# Altium PCB EVK-IRIS-W1.PcbDoc (part 7 of 9)
Units mm, origin at the board's own origin, x right, y up, seen from the top; angles counter-clockwise.
Board outline 94.11 x 129.93 mm, 6 copper layers (L1, L2, L3, L4, L5, L6), stack 1.547 mm thick; 619 components, 422 nets, 2042 pads, 1499 vias.
Unrouted connection lines stored in the file: 4.
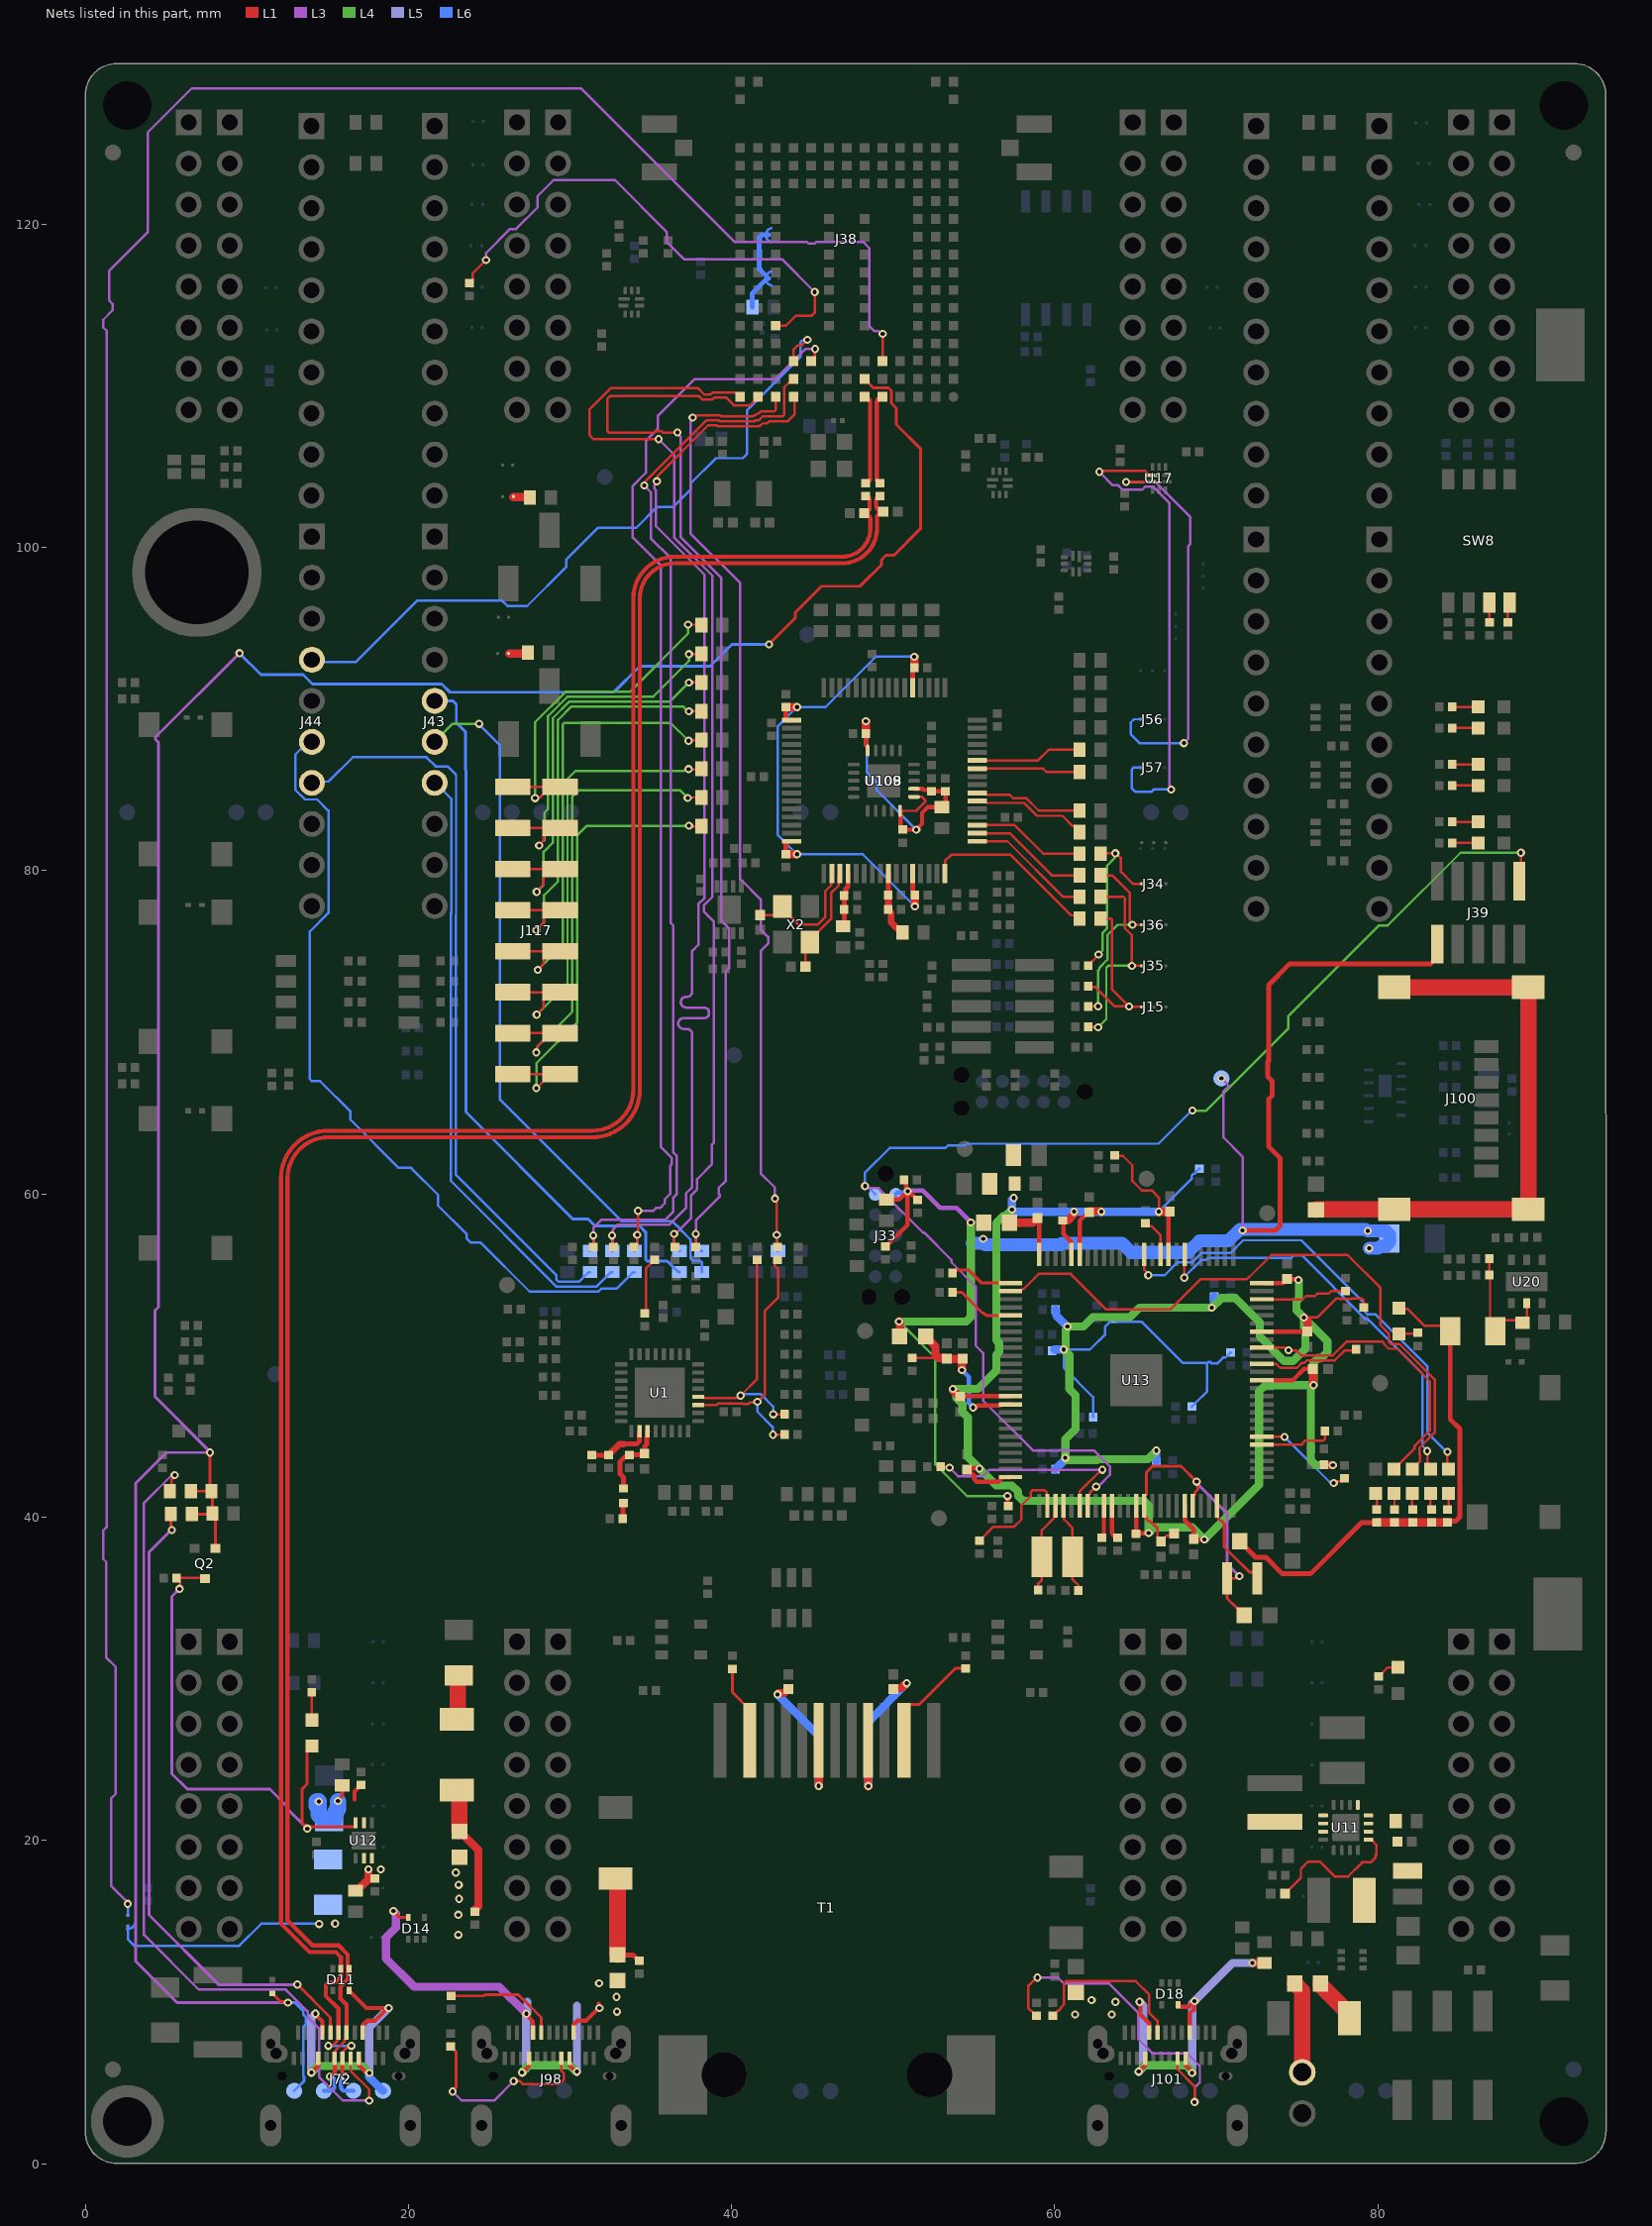
[diagram p11: the nets of this part, all layers, seen from the top]

## Via types
v1: diameter 0.508, hole 0.254, L1 to L6, 992 vias
v2: diameter 0.508, hole 0.254, L1 to L6, tented both sides, 288 vias
v3: diameter 0.5, hole 0.25, L1 to L6, 184 vias
v4: diameter 0.6, hole 0.3, L1 to L6, 27 vias
v5: diameter 0.5, hole 0.3, L1 to L6, 5 vias
v6: diameter 0.5, hole 0.2, L1 to L6, tented top, 2 vias
v7: diameter 0.6, hole 0.3, L1 to L6, tented both sides, 1 vias

## Nets (pads, with @x,y where several pads share a name; then routed paths per layer and width w, separated by ;. In a path a pad name is that pad's centre, name@x,y a point inside that pad or via, vN(x,y) a via of type N, cw(c..) or ccw(c..) an arc to the next point about the centre after c; other vN are vias at no path point) (continued)
GPIO57_U14-RxD-MOSI-SDA-TRX_RMII-MDIO: J38.L1 R265.2 R266.2 | length 61.3
  L1 w0.152: v1(37.59,108.026) 37.687,108.026 37.839,108.179 39.304,108.179 39.385,108.097 41.304,108.097 41.386,108.179 41.492,108.179 41.585,108.272 41.672,108.272 41.808,108.408 42.642,108.408 42.731,108.498 J38.L1@42.731,109.312 ; v1(42.694,59.707) 42.694,59.611 42.797,59.507 v1(42.797,57.464) 42.797,56.769 R265.2@42.853,56.713
  L3 w0.152: v1(37.59,108.026) 37.59,107.93 37.458,107.797 37.458,100.867 40.537,97.788 40.537,79.479 41.807,78.209 41.807,76.335 42.26,75.882 42.26,75.484 41.807,75.032 41.807,61.258 42.676,60.389 42.676,59.724 v1(42.694,59.707)
  L6 w0.152: v1(42.797,57.464) 42.797,56.535 R266.2@42.874,56.459 ; R266.2@42.825,56.807 42.874,56.759 R266.2@42.876,56.761
GPIO58: J43.7 R277.1 | length 38.5
  L4 w0.15: J43.7@21.625,85.031 J43.7@21.625,85.423
  L6 w0.15: J43.7@21.625,85.423 21.669,85.423 22.65,84.442 22.65,77.378 22.63,77.358 22.63,60.8 29.176,54.254 31.632,54.254 32.537,55.159 R277.1@32.612,55.159
GPIO58_RMII-TxD0: J38.K1 R275.2 R277.2 | length 69.8
  L1 w0.15: v1(35.379,104.081) 35.424,104.126 35.424,104.413 38.559,107.548 39.084,107.548 39.136,107.496 41.746,107.496 41.909,107.658 42.055,107.658 42.059,107.662 42.201,107.662 42.347,107.807 43.487,107.807 43.89,108.21 43.89,109.253 J38.K1@43.831,109.312
  L1 w0.152: v1(32.61,57.421) 32.66,57.371 32.66,56.897 32.71,56.847 32.737,56.847 32.737,56.754 R275.2@32.696,56.713 ; R275.2@32.81,56.847 32.839,56.847 R275.2@32.889,56.897
  L3 w0.15: v1(35.379,104.081) 35.379,103.984 35.226,103.831 35.226,103.616 35.33,103.512 35.33,101.297 38.327,98.299 38.327,78.31 37.946,77.929
  L3 w0.152: v1(32.61,57.421) 32.643,57.454 32.643,57.765 32.959,58.081 36.141,58.081 37.18,59.121 37.18,60.019 37.564,60.403 37.564,69.799 37.564,69.875 ccw(c37.234,69.875) 37.234,70.206 37.029,70.206 cw(c37.029,70.536) 37.029,70.866 38.28,70.866 ccw(c38.28,71.196) 38.28,71.526 37.189,71.526 cw(c37.189,71.857) 37.189,72.187 37.234,72.187 ccw(c37.234,72.517) 37.564,72.517 37.564,73.045 37.564,75.022 37.946,75.404 37.946,77.929
  L6 w0.152: v1(32.61,57.421) 32.671,57.421 32.61,57.359 R277.2@32.612,56.459 R277.2@32.612,56.459
GPIO59: J44.7 R278.1 | length 46.2
  L6 w0.15: J44.7@14.025,85.423 14.105,85.503 15.05,85.503 16.563,87.015 21.124,87.015 21.691,86.448 22.44,86.448 22.95,85.938 22.95,77.254 22.93,77.234 22.93,61.195 29.168,54.956 29.168,54.686 29.3,54.554 30.555,54.554 31.16,55.159 R278.1@31.235,55.159
GPIO59_RMII-TxD1: J38.K2 R276.2 R278.2 | length 66.6
  L1 w0.15: v1(34.591,103.827) 34.66,103.895 34.66,104.073 38.435,107.848 39.209,107.848 39.261,107.796 41.429,107.796 41.481,107.848 41.674,107.848 41.933,108.107 43.167,108.107 43.256,108.197 43.256,109.705 43.255,109.707 43.255,109.903 43.538,110.187 43.606,110.187 J38.K2@43.831,110.412
  L1 w0.152: R276.2@31.426,56.713 31.442,56.729 v1(31.442,57.421)
  L3 w0.15: v1(34.591,103.827) 35.002,103.415 35.002,100.556 36.244,99.314 36.244,98.505 36.227,98.487 36.227,98.094 36.244,98.077 36.244,76.749 36.397,76.597
  L3 w0.152: v1(31.442,57.421) 31.442,57.885 31.941,58.384 35.884,58.384 36.397,58.896 36.397,59.764 36.595,59.962 36.595,62.357 36.397,62.556 36.397,76.597
  L6 w0.152: R278.2@31.235,56.459 31.442,56.665 v1(31.442,57.421)
GPIO60: J44.6 R283.1 | length 50.1
  L6 w0.15: J44.6@14.025,87.963 13.793,87.963 13,87.17 13,84.998 13.601,84.398 14.356,84.398 15.05,83.703 15.05,77.378 13.894,76.222 13.894,67.107 14.022,66.979 14.533,66.979 16.417,65.094 16.417,64.584 19.399,61.601 20.171,61.601 21.836,59.936 21.836,59.279 23.6,57.515 23.6,57.256 23.881,56.976 24.482,56.976 27.504,53.954 31.756,53.954 31.93,54.127 32.883,54.127 33.914,55.159 R283.1@33.989,55.159
GPIO60_RMII-TxEN: J38.J3 R280.2 R283.2 | length 68.1
  L1 w0.152: R280.2@33.966,56.713 34.147,56.895 34.147,57.057 34.147,57.369 34.147,57.386 34.21,57.449 v1(34.21,58.945) ; J38.J3@44.967,111.476 45.155,111.664 45.155,112.256 v1(45.166,112.267)
  L3 w0.152: v1(34.21,58.945) 35.15,58.945 35.33,59.125 35.578,59.125 35.859,59.406 35.859,59.654 36.193,59.988 36.193,61.738 36.293,61.838 36.293,62.232 35.635,62.89 35.635,98.857 33.882,100.609 33.882,103.796 34.693,104.607 34.693,106.589 35.429,107.325 35.429,108.119 37.722,110.412 42.711,110.412 44.566,112.267 v1(45.166,112.267)
  L6 w0.152: R283.2@33.989,56.459 34.161,56.631 v1(34.161,57.455)
GPIO61-UCX-SW4: J38.K3 J44.4 | length 43.6
  L1 w0.15: J38.K3@43.831,111.512 43.831,112.22 44.108,112.497 44.354,112.497 v1(44.699,112.842)
  L6 w0.15: J44.4@14.07,92.913 16.762,92.913 20.56,96.711 25.781,96.711 26.129,96.363 27.347,96.363 29.784,98.799 29.784,99.259 31.723,101.198 34.092,101.198 35.396,102.502 36.412,102.502 37.459,103.549 37.459,103.934 39.04,105.515 40.684,105.515 40.965,105.796 40.965,108.478 44.276,111.789 44.276,112.712 44.364,112.8 44.657,112.8 v1(44.699,112.842)
GPIO62: J43.6 R284.1 | length 44.9
  L4 w0.15: J43.6@21.625,87.963 22.74,89.077 v2(24.373,89.077)
  L6 w0.15: v2@24.357,89.052 25.672,87.737 25.672,65.824 33.181,58.315 36.309,58.315 36.622,58.001 36.644,58.001 36.924,57.721 36.924,57.699 37.453,57.171 37.453,56.018 37.612,55.859 38.055,55.859 38.155,55.759 R284.1@38.155,55.159
GPIO62_RMII-CRSDV: J38.M1 R281.2 R284.2 | length 70.3
  L1 w0.15: v1(36.649,107.103) 35.751,107.103 35.679,107.176 35.282,107.176 35.209,107.103 32.395,107.103 32.307,107.191 32.307,109.173 32.506,109.372 37.962,109.372 38.182,109.152 38.827,109.152 38.954,109.279 39.646,109.279 40.138,108.787 41.144,108.787 41.406,109.049 41.406,109.087 J38.M1@41.631,109.312
  L1 w0.152: R281.2@37.775,56.713 37.775,57.505 v1(37.785,57.516) v1@37.817,57.548
  L3 w0.15: v1(36.649,107.103) 36.649,107.044 36.857,106.836 36.857,100.618 39.37,98.105 39.37,76.881 39.86,76.391 39.86,73.99
  L3 w0.152: v1(37.785,57.516) 37.785,58.358 39.259,59.832 39.259,59.959 39.224,59.994 39.224,60.389 39.648,60.813 39.648,73.778 39.86,73.99
  L6 w0.152: v1(37.785,57.516) 37.785,56.757 38.084,56.459 R284.2@38.155,56.459
GPIO63: J43.5 R286.1 | length 45.2
  L6 w0.18: J43.5@21.625,90.503 22.753,90.503 22.965,90.291 22.965,89.149 23.546,88.568 23.546,86.212 23.565,86.193 23.565,65.054 30.188,58.431 31.13,58.431 31.561,58 34.315,58 34.679,57.636 34.679,55.949 34.785,55.844 36.018,55.844 36.703,55.159 R286.1@36.778,55.159
GPIO63_RMII-RxERR: J38.N1 R285.2 R286.2 | length 70.4
  L1 w0.15: v1(35.48,106.697) 31.452,106.697 31.215,106.934 31.215,108.541 32.534,109.86 37.899,109.86 38.306,109.452 38.703,109.452 38.83,109.579 40.218,109.579 40.26,109.537 40.306,109.537 J38.N1@40.531,109.312
  L1 w0.152: v1(36.445,57.522) 36.445,56.773 R285.2@36.505,56.713
  L3 w0.15: v1(35.48,106.697) 36.461,105.716 36.461,100.59 38.81,98.241 38.81,78.368 38.275,77.834 ; 38.579,77.166 38.911,76.834 38.911,75.871 38.914,75.869 38.914,75.472 38.911,75.469 38.911,63.17
  L3 w0.152: v1@36.411,57.412 37.483,58.483 37.483,59.893 37.867,60.277 37.867,60.911 38.793,61.838 38.793,63.051 38.911,63.17 ; 38.276,77.833 38.276,77.469 38.579,77.166
  L6 w0.152: v1(36.445,57.522) 36.445,56.757 36.744,56.459 R286.2@36.778,56.459
HW_VER: R187.2 U13.55 | length 4.6
  L1 w0.15: U13.55@72.816,44.477 75.276,44.477 75.364,44.565 75.364,44.603 75.496,44.735 76.625,44.735 76.713,44.823 R187.2@76.713,45.314
HW_VER_0: R188.2 U13.85 | length 2.4
  L1 w0.15: R188.2@65.607,58.172 65.792,57.987 66.005,57.987 66.541,57.452 U13.85@66.541,56.252
HW_VER_1: R189.2 U13.73 | length 5.4
  L1 w0.15: U13.73@72.826,53.467 75.343,53.467 75.554,53.677 76.111,53.677 76.275,53.841 76.964,53.841 77.109,53.986 R189.2@77.997,53.986
HW_VER_2: R190.2 U13.65 | length 6.4
  L1 w0.15: U13.65@72.816,49.477 73.713,49.477 73.965,49.225 74.973,49.225 75.274,49.526 75.436,49.526 75.613,49.703 77.336,49.703 77.925,50.292 78.567,50.292 R190.2@78.643,50.368
HW_VER_3: R191.2 U13.1 | length 4
  L1 w0.179: R191.2@53.686,55.109 53.686,55.124 53.856,55.295 54.48,55.295 54.488,55.303 54.652,55.303 55.478,54.477 U13.1@57.266,54.477
HW_VER_4: R192.2 U13.31 | length 13.2
  L1 w0.15: R192.2@52.926,43.126 52.947,43.104 v1@53.415,43.104 ; U13.31@61.541,40.702 61.541,41.578 v1@62.914,42.951
  L3 w0.15: v1(53.491,43.053) 54.021,42.523 55.543,42.523 55.946,42.926 v1(62.94,42.926)
HW_VER_5: R193.2 U13.5 | length 4.3
  L1 w0.179: R193.2@53.574,53.898 54.253,53.898 55.535,52.616 55.624,52.616 55.763,52.477 U13.5@57.266,52.477
HW_VER_6: R194.2 U13.56 | length 6.4
  L1 w0.15: U13.56@72.887,44.906 U13.56@72.816,44.977 74.211,44.977 v1@74.243,45.009 ; v1@77.366,42.214 77.741,42.214 R194.2@77.926,42.399
  L6 w0.15: v1(74.217,44.958) 76.993,42.182 77.197,42.182 v1(77.265,42.113)
HW_VER_7: R195.2 U13.27 | length 7
  L1 w0.15: R195.2@55.345,38.551 55.36,38.551 56.209,39.399 57.482,39.399 57.931,39.848 57.931,40.719 58.516,41.304 58.516,41.548 58.62,41.652 59.387,41.652 59.5,41.54 59.5,40.743 U13.27@59.541,40.702
INT: R111.1 R149.1 | length 3.5
  L1 w0.152: R149.1@34.642,52.614 34.718,52.69 34.718,55.396 R111.1@35.235,55.913
JTAG-TCK: J15.1 R1.2 R119.2 | length 10.4
  L1 w0.15: R119.2@62.062,72.854 62.128,72.787 62.518,72.787 63.709,71.595 v1(64.6,71.595) 63.555,72.639 63.555,76.948 63.468,77.036 R1.2@62.834,77.036 ; v1@64.63,71.565 J15.1@65.378,71.565
  L6 w0.15: v1@64.6,71.498 v1(64.6,71.595)
JTAG-TDI: J35.1 R3.2 R293.2 | length 12.7
  L1 w0.15: R293.2@62.081,70.326 R293.2@62.062,70.326 62.081,70.307 v1(62.686,70.307) ; R3.2@62.834,78.371 64.25,78.371 64.338,78.283 64.338,76.853 64.328,76.843 64.328,76.446 64.765,76.01 v1@64.765,74.105 ; v1(64.773,74.105) J35.1@65.378,74.105
  L4 w0.15: v1(62.686,70.307) 63.189,70.81 63.189,73.985 63.308,74.105 v1(64.773,74.105)
JTAG-TDO: J36.1 R4.2 R291.2 | length 12
  L1 w0.15: R291.2@62.062,71.59 62.074,71.603 v1(62.686,71.603) ; R4.2@62.834,79.705 63.559,79.705 64.638,78.626 64.638,76.814 v1(64.807,76.645) J36.1@65.378,76.645
  L4 w0.15: v1(62.686,71.603) 62.686,73.804 62.762,73.88 62.762,73.983 63.27,74.491 63.27,76.022 63.892,76.645 v1(64.807,76.645)
JTAG-TMS: J34.1 R5.2 R117.2 | length 11.5
  L1 w0.15: R117.2@62.062,74.117 62.062,74.132 62.711,74.782 v1(62.711,74.803) ; R5.2@62.834,81.04 62.862,81.068 v1(63.75,81.068) 63.779,81.068 64.103,80.744 64.103,79.914 64.833,79.185 J34.1@65.378,79.185
  L4 w0.15: v1(62.711,74.803) 62.711,74.811 62.97,75.07 62.97,76.146 63.244,76.421 63.244,80.309 63.688,80.753 63.688,81.006 v1(63.75,81.068)
LED0_ENET: R148.2 T1.11 | length 6.1
  L1 w0.178: R148.2@40.057,30.613 40.057,29.156 41.132,28.081 T1.11@41.132,26.186 ; T1.11@41.172,26.162 T1.11@41.172,27.399
LED1_ENET: R154.2 T1.2 | length 8
  L1 w0.178: T1.2@50.646,26.162 T1.2@50.646,27.399 ; T1.2@50.672,26.186 50.672,28.081 50.988,28.397 51.614,28.397 53.856,30.639 R154.2@54.496,30.639
LED_HEARTBEAT: LED5.1 U13.87 | length 30
  L1 w0.15: U13.87@65.541,56.252 65.541,55.302 65.784,55.059 v1(65.784,54.966) ; v1(84.301,44.044) 84.301,43.041 LED5.1@84.377,42.965
  L6 w0.15: v1(65.784,54.966) 66.8,54.966 67.582,55.747 68.496,55.747 69.08,56.331 70.872,56.331 71.666,57.125 75.259,57.125 79.098,53.286 79.098,52.811 79.378,52.531 79.852,52.531 83.052,49.332 83.052,45.242 84.25,44.044 v1(84.301,44.044)
LED_SWO_ACT: LED2.1 U13.2 | length 40
  L1 w0.15: U13.2@57.266,53.977 57.856,53.977 57.996,54.117 58.084,54.117 59.008,55.042 60.985,55.042 63.17,52.857 67.174,52.857 69.023,54.706 71.866,54.706 71.997,54.837 72.033,54.837 73.407,56.211 78.13,56.211 80.161,54.18 80.161,51.867 80.664,51.363 80.664,50.844 80.796,50.713 81.315,50.713 83.514,48.514 83.514,45.222 82.575,44.284 82.575,43.875 82.599,43.851 82.599,43.441 LED2.1@82.123,42.965
LED_USB_COMM: LED1.1 U13.67 | length 18.4
  L1 w0.15: U13.67@72.816,50.477 74.214,50.477 74.374,50.317 v1(74.471,50.317) 74.489,50.299 74.95,50.299 75.246,50.003 77.212,50.003 78.077,50.868 80.277,50.868 80.364,50.78 80.364,50.72 80.672,50.413 81.191,50.413 83.214,48.39 83.214,45.347 82.275,44.408 82.275,44.245 LED1.1@80.995,42.965
LED_VCOM_ACT: LED4.1 U13.82 | length 25.9
  L1 w0.15: v1(68.02,54.813) 68.03,54.824 68.03,56.242 U13.82@68.041,56.252 ; v1(83.054,44.086) 83.054,43.16 LED4.1@83.25,42.965
  L6 w0.15: v1(68.02,54.813) 68.02,54.846 69.079,55.905 69.365,55.905 69.49,56.031 74.637,56.031 74.804,56.198 75.287,56.198 79.254,52.231 79.39,52.231 82.752,48.87 82.752,44.425 v1@83.056,44.12
MCU_LINK_3V3: C44.1 C45.1 C48.1 C49.1 C51.1 C53.1 C56.1 C57.1 C58.1 C59.1 C63.1 C93.1 C94.1 F7.2 R220.1 R221.2 R227.2 R229.2 R231.2 R233.2 R235.2 R237.2 R239.2 R241.2 R243.2 R246.2 R248.2 U13.15 U13.25 U13.38 U13.44 U13.63 U13.69 U13.75 U13.84 U13.95 U13.96 U13.100 | length 187
  L1 w0.15: v1(75.411,52.349) 76.234,52.349 77.402,53.518 77.612,53.518 77.629,53.501 78.365,53.501 78.382,53.518 79.018,53.518 79.106,53.43 79.106,53.001 R220.1@79.121,52.986
  L1 w0.152: R221.2@63.712,62.351 64.215,62.351 64.799,61.767 64.799,60.792 65.382,60.209 65.997,60.209 66.444,59.762 66.444,58.895 v1(66.443,58.894)
  L1 w0.277: C63.1@54.126,47.477 U13.15@57.266,47.477 ; C59.1@54.558,43.009 54.561,43.005 C59.1@54.576,43.005 ; v1(55.345,43.002) 55.342,43.005 C59.1@54.576,43.005 ; U13.25@57.266,42.477 57.262,42.474 56.679,42.474 56.679,42.355 56.513,42.189 55.177,42.189 55.015,42.352 55.015,42.551 54.694,42.872 54.694,42.887 C59.1@54.576,43.005 ; C48.1@58.953,58.496 59.041,58.409 U13.100@59.041,56.252 ; C94.1@60.534,58.229 60.534,57.527 61.037,57.024 61.037,56.256 U13.96@61.041,56.252 ; U13.95@61.541,56.252 61.544,56.256 61.544,58.35 C58.1@62.128,58.934 ; C93.1@65.022,38.957 65.051,38.986 65.781,38.986 v1(65.81,39.014) ; C93.1@65.044,39.079 U13.38@65.044,40.116 ; U13.84@67.041,56.252 67.041,58.819 C49.1@67.115,58.894 ; U13.44@68.041,40.702 68.044,40.699 68.044,39.803 68.604,39.243 C57.1@68.604,38.576 ; C57.1@68.62,38.592 69.248,38.592 v1(69.264,38.608) ; U13.63@72.816,48.477 74.739,48.477 75.424,49.162 75.964,49.162 C56.1@75.977,49.149 ; U13.69@72.816,51.477 C53.1@75.692,51.477 ; U13.75@72.816,54.477 74.109,54.477 C51.1@74.368,54.736 74.397,54.707 75.05,54.707 v1(75.079,54.678)
  L1 w0.508: v1@53.713,47.818 C63.1@54.149,47.381 ; F7.2@57.21,58.208 58.634,58.208 C48.1@58.928,58.503 ; C44.1@57.444,62.192 C44.1@57.444,62.392 ; C45.1@57.516,60.63 57.637,60.509 C45.1@57.637,60.434 ; C94.1@60.503,58.35 60.509,58.356 60.815,58.356 61.195,58.736 v1(61.195,58.894) ; C58.1@62.128,58.934 62.84,58.934 v1(62.88,58.894) ; C93.1@65.001,38.963 65.007,38.957 C93.1@65.022,38.957 ; v1(66.443,58.894) 67.115,58.894 C49.1@67.129,58.907 ; v1(75.411,52.349) 75.665,52.095 75.665,51.498 C53.1@75.686,51.477 ; v1@75.977,48.194 C56.1@75.977,49.149 ; R227.2@76.661,43.217 77.199,43.217 v1(77.211,43.205)
  L4 w0.508: v1(57.353,59.03) 56.939,58.615 56.801,58.615 56.386,58.2 56.386,50.943 56.562,50.768 56.562,50.223 56.386,50.047 56.386,49.073 55.238,47.924 v1(53.698,47.924) 53.923,47.7 53.923,47.362 54.285,47 54.285,46.509 54.631,46.162 54.631,43.716 v1(55.345,43.002) 56.389,41.958 57.345,41.958 57.73,41.573 57.73,41.306 58.028,41.008 65.512,41.008 65.81,40.711 v1(65.81,39.014) 66.165,39.37 68.502,39.37 v1(69.264,38.608) 72.639,41.982 72.639,47.774 73.023,48.158 v1(76.013,48.158) ; v1(66.29,44.111) 65.763,43.584 62.667,43.584 62.621,43.538 60.778,43.538 v1(60.654,43.663) 60.654,44.815 61.286,45.447 61.286,47.544 60.904,47.926 60.904,50.023 v1(60.561,50.366) 60.671,50.476 60.671,51.579 60.782,51.691 v1(60.782,51.791) 61.78,51.791 62.365,52.375 64.667,52.375 65.251,52.959 v1(69.721,52.959) 70.315,53.553 71.189,53.553 72.694,52.048 72.694,51.164 74.199,49.659 74.744,49.659 75.508,50.424 75.508,51.666 75.411,51.763 v1(75.411,52.349) ; v1(75.079,54.678) 75.109,54.647 75.109,53.494 74.956,53.341 74.956,52.788 75.342,52.403 75.358,52.403 v1(75.411,52.349) ; v1(77.211,43.205) 76.14,43.205 75.843,43.503 75.843,47.988 v1(76.013,48.158) ; v1(75.411,52.349) 76.882,50.879 76.882,50.223 76.496,49.837 76.311,49.837 76.013,49.54 v1(76.013,48.158)
  L6 w0.152: R239.2@62.38,46.185 62.38,47.417 60.561,49.236 v1(60.561,50.366) 62.176,50.366 63.117,51.308 63.117,51.787 63.61,52.28 R237.2@63.625,52.28 63.809,52.096 65.369,52.096 67.935,49.53 69.44,49.53 ; v1(66.443,58.894) 68.463,60.914 68.463,61.112 68.595,61.244 68.676,61.244 68.765,61.333 68.765,61.374 68.949,61.558 R248.2@68.964,61.558 ; R241.2@68.49,46.831 68.505,46.831 68.689,47.015 68.689,47.03 69.44,47.781 69.44,49.53 ; R246.2@70.89,50.184 70.875,50.184 70.561,49.87 70.415,49.87 70.05,49.505 69.723,49.505 69.632,49.596 69.506,49.596 69.44,49.53
  L6 w0.508: v1(57.455,59.741) 57.353,59.639 v1(57.353,59.03) 57.489,58.894 v1(61.195,58.894) v1(62.88,58.894) v1(66.443,58.894) ; R235.2@59.978,50.366 v1(60.561,50.366) ; R233.2@60.038,42.951 60.038,42.966 60.36,43.288 60.389,43.288 60.654,43.553 v1(60.654,43.663) ; R231.2@60.05,52.846 60.05,52.804 60.096,52.759 60.096,52.477 v1(60.782,51.791) ; R229.2@66.29,43.419 v1(66.29,44.111) ; v1(69.721,52.959) 69.851,53.088 69.851,53.637 69.857,53.643 R243.2@69.872,53.643
MCU_LINK_N_16MHz: C90.1 U13.28 X3.1 | length 5.7
  L1 w0.15: C90.1@58.985,35.484 58.985,35.897 59.198,36.11 X3.1@59.198,37.541 59.198,39.181 59.981,39.964 59.981,40.642 U13.28@60.041,40.702
MCU_LINK_P_16MHz: C89.1 U13.29 X3.2 | length 5.6
  L1 w0.15: U13.29@60.541,40.702 60.574,40.669 60.574,39.858 61.103,39.329 X3.2@61.103,37.541 61.103,36.143 61.462,35.785 C89.1@61.462,35.458
MCU_LINK_RST: J33.10 J39.10 U13.32 | length 81.9
  L1 w0.15: U13.32@62.041,40.702 62.041,41.292 62.181,41.432 62.181,41.521 62.545,41.885 v1(62.559,41.885) ; J39.10@88.746,79.344 88.848,79.445 v1(88.848,81.102)
  L3 w0.15: v1(48.258,60.477) 48.355,60.477 48.48,60.352 49.099,60.352 51.839,57.612 51.902,57.612 53.614,55.901 53.614,55.757 55.118,54.253 55.118,50.604 55.574,50.148 55.574,47.193 58.647,44.12 59.697,44.12 59.719,44.098 60.263,44.098 60.307,44.142 60.852,44.142 60.874,44.12 62.423,44.12 63.419,43.124 63.419,42.728 63.419,42.618 62.811,42.01 62.781,42.01 62.655,41.885 v1(62.559,41.885)
  L4 w0.15: v1(68.528,65.151) 69.375,65.151 74.445,70.221 74.445,70.967 80.082,76.604 80.616,76.604 85.114,81.102 v1(88.848,81.102)
  L6 w0.15: v1(48.258,60.477) 48.258,61.314 49.779,62.835 53.238,62.835 53.4,62.997 54.441,62.997 54.544,63.1 66.426,63.1 68.477,65.151 v1(68.528,65.151) ; v1@48.411,60.427 48.436,60.427 J33.10@48.893,59.969
MCULINK_VDDA: C64.1 C65.1 F9.2 R174.2 U13.16 | length 10.5
  L1 w0.15: R174.2@51.179,49.854 52.859,49.854
  L1 w0.277: v1@54.989,46.761 55.102,46.761 55.242,46.901 56.52,46.901 56.606,46.901 56.679,46.974 57.262,46.974 U13.16@57.266,46.977
  L1 w0.508: F9.2@52.005,51.181 52.005,51.156 52.226,50.935 52.251,50.935 52.622,50.564 52.622,50.026 52.794,49.854 ; 52.859,49.854 53.023,49.854 53.04,49.838 53.28,49.838 C65.1@53.326,49.792 ; C65.1@53.313,49.792 C65.1@53.326,49.792 ; v1(54.253,49.098) 54.258,49.103 54.258,49.746 C64.1@54.304,49.792 C65.1@53.326,49.792